# Allegro board Coral-Dev-Board-baseboard-layout-Allegro.brd (continued)
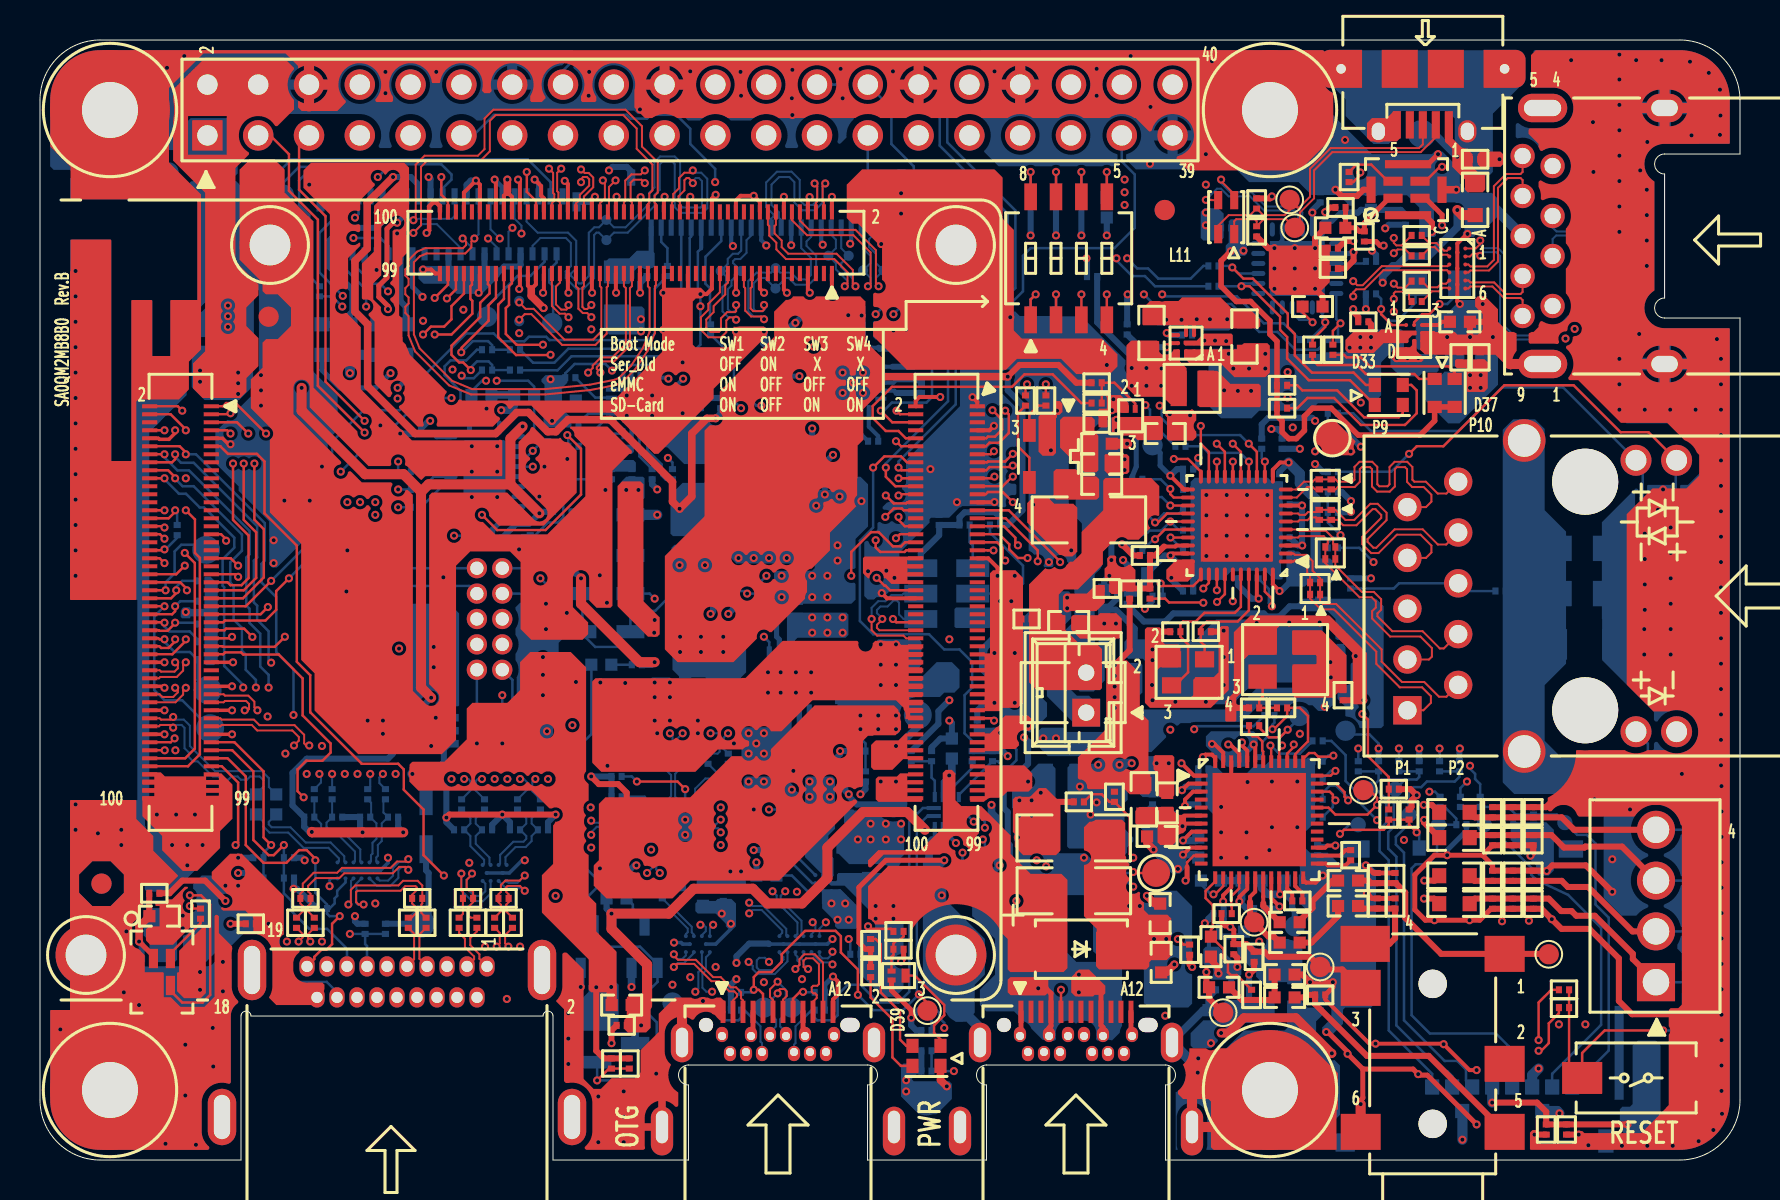
[diagram p0: board, top side]
## Routing (per net, layer and track width the routed paths; a pad name or vN(x,y) marks a point on that pad's centre or on a via; arc(x,y) is an arc through that point) (continued)
MIPI_DSI_D0_P: length 26.7
  TOP w0.102: v1(21.72,46.08) 21.57,45.93 21.57,45.63 21.26,45.33 19.33,45.33 19.16,45.26 19,45.19 18.69,44.89 18.69,41.27 18.98,40.58 20.61,38.96 21.6,38.54 25.25,38.54 27.5,38.77 28.72,39.01 28.95,39.1 29.55,39.71 30.14,40.59 30.48,41.41 30.48,43.6 30.4,43.69 J1311.47
  BOTTOM w0.102: P3.15 21.93,46.29 v1(21.72,46.08)
MIPI_DSI_D1_N: length 24
  TOP w0.102: v1(30.24,48.84) 30.07,49.02 29.68,49.02 29.53,48.86 29.53,47.95 29.6,47.88 J1311.52
  L06_SIG2 w0.089: v1(30.24,48.84) 30.43,49.04 30.7,49.04 30.88,48.86 31.14,48.86 31.32,49.04 31.61,49.04 31.85,48.8 31.85,47.88 32.24,47.49 34.94,47.49 35.17,47.26 35.17,46.78 34.88,46.49 34.5,46.49 34.14,46.14 33.08,46.14 32.9,46.31 32.64,46.31 32.46,46.14 32.19,46.14 32.02,46.31 31.75,46.31 31.58,46.14 31.31,46.14 31.13,46.31 30.87,46.31 30.69,46.14 30.43,46.14 30.25,46.31 29.98,46.31 29.81,46.14 29.54,46.14 29.37,46.31 29.1,46.31 28.93,46.14 28.66,46.14 28.48,46.31 28.22,46.31 28.04,46.14 27.77,46.14 27.47,46.44 27.17,46.44 27,46.62 26.73,46.62 26.55,46.44 26.29,46.44 26.11,46.62 25.85,46.62 25.67,46.44 25.4,46.44 25.23,46.62 24.96,46.62 24.79,46.44 24.52,46.44 24.24,46.72 23.74,46.72 v1(23.62,46.61)
  BOTTOM w0.102: P3.10 23.43,46.41 v1(23.62,46.61)
MIPI_DSI_D1_P: length 24
  TOP w0.102: J1311.54 29.2,47.88 29.26,47.95 29.26,48.97 29.57,49.28 30.04,49.28 v1(30.24,49.48)
  L06_SIG2 w0.089: v1(30.24,49.48) 30.41,49.31 31.72,49.31 32.11,48.91 32.11,47.99 32.35,47.76 35.05,47.76 35.43,47.37 35.43,46.67 34.99,46.23 34.61,46.23 34.25,45.87 27.66,45.87 27.36,46.17 24.22,46.17 v1(24.07,46.32)
  BOTTOM w0.102: P3.9 23.73,47.06 24.07,46.72 v1(24.07,46.32)
MIPI_DSI_D2_N: length 24.6
  TOP w0.102: v1(32.64,48.84) 32.64,48.9 32.44,49.1 32.33,49.1 32.22,48.99 32.22,48.48 31.93,48.19 31.93,47.95 32,47.88 J1311.40
  BOTTOM w0.102: P3.7 24.33,46.92 24.88,46.37 26.4,46.37 26.81,45.96 26.81,44.58 26.55,44.32 26.55,44.21 26.93,43.83 27.07,43.83 27.44,44.2 27.44,46.36 27.71,46.64 27.95,46.64 TP52.1 28.7,46.64 29.28,46.64 30.47,47.83 30.47,48.37 30.72,48.62 30.72,49.89 31,50.18 31.73,50.18 32,49.91 32,47.75 32.13,47.62 33.02,47.62 33.1,47.7 33.1,48.95 32.95,49.1 32.79,49.1 32.64,48.95 v1(32.64,48.84)
MIPI_DSI_D2_P: length 24.5
  TOP w0.102: v1(32.64,49.48) 32.52,49.36 32.22,49.36 31.95,49.1 31.95,48.59 31.66,48.3 31.66,47.95 31.6,47.88 J1311.42
  BOTTOM w0.102: v1(32.64,49.48) 32.75,49.36 33.06,49.36 33.36,49.06 33.36,47.59 33.13,47.36 32.02,47.36 31.74,47.64 31.74,49.8 31.62,49.91 31.12,49.91 30.99,49.78 30.99,48.51 30.73,48.26 30.73,47.72 29.39,46.37 28.7,46.37 TP4.1 27.95,46.37 27.82,46.37 27.71,46.25 27.71,44.09 27.18,43.56 26.82,43.56 26.28,44.1 26.28,44.43 26.54,44.69 26.54,45.85 26.29,46.1 25.02,46.1 24.63,45.71 P3.6
MIPI_DSI_D3_N: length 24.3
  TOP w0.102: J1311.46 30.8,47.8 30.73,47.87 30.73,48.21 30.89,48.37 30.89,49.89 30.1,50.67 30.1,51.69 29.28,52.51 22.67,52.51 22.23,52.07 22.23,50.55 21.89,50.21 19.23,50.21 18.78,49.77 18.78,47.1 v1(18.67,46.99)
  BOTTOM w0.102: P3.19 20.73,47.19 20.59,47.06 18.74,47.06 v1(18.67,46.99)
MIPI_DSI_D3_P: length 24.4
  TOP w0.102: J1311.48 30.4,47.8 30.46,47.87 30.46,48.32 30.62,48.48 30.62,49.77 29.83,50.56 29.83,51.58 29.17,52.25 22.78,52.25 22.49,51.96 22.49,50.44 22,49.95 19.34,49.95 19.05,49.66 19.05,46.74 v1(18.67,46.35)
  BOTTOM w0.102: P3.18 21.03,45.6 19.84,46.79 19.11,46.79 v1(18.67,46.35)
NAND_ALE: length 28
  TOP w0.127: J1310.16 43.35,34.89 43.05,35.18 42.22,35.18 v1(41.66,34.62)
  BOTTOM w0.127: U9.6 45.94,18.25 R11.1 47.88,19.94 48.13,19.68 48.51,19.68 48.82,19.99 48.82,20.52 48.41,20.93 46.63,20.93 46.23,21.34 46.23,23.24 46.61,23.62 46.61,24.89 45.97,25.53 45.21,25.53 44.45,26.29 41.66,26.29 41,26.95 41,30.96 41.66,31.62 v1(41.66,34.62)
NAND_DATA02: length 14.3
  TOP w0.127: J1310.12 43.06,35.69 v1(42.8,35.94)
  L06_SIG2 w0.102: v1(35.05,37.59) 35.31,37.34 37.08,37.34 37.59,37.85 40.89,37.85 v1(42.8,35.94)
  BOTTOM w0.127: R136.1 34.7,40.11 34.7,37.95 v1(35.05,37.59)
NAND_DATA03: length 46.9
  TOP w0.127: J1310.22 42.77,33.69 42.29,34.16 v1(42.29,34.62)
  BOTTOM w0.127: v1(42.29,34.62) 42.29,34.83 45.4,37.94 45.4,40.23 48.77,43.6 48.77,47.48 45.36,50.88 45.36,54.62 44.74,55.24 40.74,55.24 40.48,54.99 38.74,54.99 38.48,55.24 26.92,55.24 26.15,54.47 J15.16
NAND_DATA06: length 30.4
  TOP w0.127: J1310.20 42.93,34.09 v1(42.93,34.09)
  L06_SIG2 w0.102: v1(17.91,34.92) 19.05,36.07 23.04,36.07 24,35.1 24,34.76 24.53,34.24 26.92,34.24 27.27,34.58 32.54,34.58 34.48,36.53 37.77,36.53 39.91,34.39 41.22,34.39 41.53,34.09 v1(42.93,34.09)
  BOTTOM w0.127: R170.2 17.98,34.42 17.91,34.49 v1(17.91,34.92)
NAND_DATA07: length 25.1
  TOP w0.127: J1310.18 43.06,34.49 v1(42.93,34.62)
  BOTTOM w0.127: v1(42.93,34.62) 42.93,34.92 45.78,37.78 45.78,40.07 49.15,43.44 49.15,45.21 49.53,45.59 53.72,45.59 54.74,46.61 54.74,49.28 54.09,49.92 J15.37
NETB2_2: length 11.6
  TOP w0.127: v1(81.15,6.48) 78.23,6.48 77.11,5.35 B2.2 76.45,4.76 R180.1 R191.1
  BOTTOM w0.127: TP54.1 v1(81.15,6.48)
NETC5_1: length 4.7
  TOP w0.254: v1(4.95,10.92) 5.67,10.2 U3.1
  TOP w0.305: C141.1 5.46,12.2 R206.2
  TOP w0.381: C141.1 4.95,11.68 v1(4.95,10.92)
  BOTTOM w0.305: C5.1 5.08,10.79 v1(4.95,10.92)
NETC10_1: length 4.4
  TOP w0.254: R207.1 65.28,46.99 65.27,46.98 C142.1 65.79,46.61 65.96,46.43 C10.1 66.22,46.86 67.45,48.09 U4.1
NETC12_1: length 1.9
  TOP w0.203: U2.8 57.59,16.42 v1(57.15,15.98)
  BOTTOM w0.381: v1(57.15,15.98) 57.77,15.98 C12.1
NETC24_2: length 2.1
  TOP w0.127: v1(58.67,13.28) 58.75,13.28 59.16,13.69 U2.14
  BOTTOM w0.127: C24.2 58.05,13.78 58.55,13.28 v1(58.67,13.28)
NETC29_1: length 2.2
  BOTTOM w0.203: 42.63,39.66 U1.11
  BOTTOM w0.305: C29.1 43.68,39.66 42.63,39.66
NETC29_2: length 2.9
  BOTTOM w0.203: 41.94,40.61 41.61,40.61 41.44,40.45 U1.10
  BOTTOM w0.305: 41.94,40.61 41.99,40.56 C29.2
NETC69_1: length 2.4
  BOTTOM w0.203: U1.6 39.84,40.89
  BOTTOM w0.305: 39.84,40.89 39.62,41.11 R131.1 C69.1
NETC70_1: length 5.2
  TOP w0.203: v1(56.52,30.22) 56.63,30.32 U18.29
  BOTTOM w0.305: C71.1 57.02,29.59 57.02,29.7 56.52,30.2 v1(56.52,30.22) 56.23,30.22 55.36,29.35 C70.1 55.36,28.9 54.79,28.32 R71.2
NETC91_1: length 2.5
  TOP w0.127: C91.1 63.13,42.38 v1(63.63,41.88)
  BOTTOM w0.127: v1(63.63,41.88) 63.5,42.01 62.97,42.01 62.62,42.37 U19.16
NETC92_2: length 9.2
  TOP w0.127: R117.1 C92.2 28.45,4.57 v1(27.86,3.98)
  BOTTOM w0.127: Q21.1 v1(27.86,3.98) 29.76,3.98 30.84,5.05 30.84,6.88 30.35,7.37 R118.2
NETC94_1: length 18
  BOTTOM w0.127: R120.2 27.57,21.29 26.92,20.65 26.92,14.96 27.79,14.1 C94.1 28.58,13.84 28.4,13.67 27.89,13.67 27.05,12.83 27.05,11.13 28.34,9.84 Q23.2
NETC96_1: length 2.1
  BOTTOM w0.203: U1.14 42.72,38.46 42.82,38.35
  BOTTOM w0.305: 42.82,38.35 C96.1
NETC96_2: length 2.2
  BOTTOM w0.203: 42.85,39.04 42.67,38.86 U1.13
  BOTTOM w0.305: C96.2 43.89,39.04 42.85,39.04
NETC105_1: length 1.7
  BOTTOM w0.203: C105.1 41.91,36.2 41.44,36.66 U1.16
NETC105_2: length 1.7
  BOTTOM w0.203: C105.2 41.04,36.3 U1.17
NETC107_1: length 1.6
  BOTTOM w0.203: 38.74,37.82 38.98,38.06 U1.1
  BOTTOM w0.305: C107.1 38.43,37.52 38.74,37.82
NETC107_2: length 3
  BOTTOM w0.203: U1.2 38.76,38.46
  BOTTOM w0.305: 38.76,38.46 38.59,38.46 38.35,38.23 37.08,38.23 36.89,38.03 C107.2
NETC111_1: length 1.3
  BOTTOM w0.254: 30.56,45.32 P1.24
NETC112_1: length 3.9
  BOTTOM w0.203: 32.18,38.35 31.95,38.12 U15.12
  BOTTOM w0.305: 32.18,38.35 32.82,38.99 33.02,38.99 C112.1 R134.1
NETC127_1: length 3.7
  TOP w0.305: C127.1 60.09,8 61.6,8 FB12.1 R159.2
NETC128_2: length 0.6
  BOTTOM w0.203: U15.19 29.57,35.69
NETC129_1: length 2
  BOTTOM w0.127: U15.18 29.97,35.18 C129.1
NETC130_2: length 1
  BOTTOM w0.127: R151.1 C130.2
NETC134_2: length 7.5
  BOTTOM w0.127: C147.2 71.3,28.45 J11.P6 67.95,28.83 67.69,28.57 C134.2
NETC135_2: length 5
  TOP w0.305: J4.4 67.47,10.81 67.75,11.09 C135.2 ESD9.2 66.03,12.57 FB4.2
NETC136_2: length 11.8
  TOP w0.305: FB11.2 66.42,13.97 66.55,13.84 ESD11.2 C136.2 67.79,13.84 68.26,13.37 68.26,12.11 70.06,10.31 J4.1 75.42,10.31 TP17.1
NETC151_1: length 5.7
  BOTTOM w1.016: 52.22,27 52.22,29.49 52.6,29.87 TP57.1
  vias: v1(53.82,37.01) v1(53.82,36.47)
NETD1_A: length 6.1
  TOP w0.127: U6.A1 67.6,41.75 67.06,42.29 v1(67.06,42.55)
  BOTTOM w0.127: R21.1 67.06,43.05 v1(67.06,42.55) 67.06,42.29 67.39,41.96 67.87,41.96 68.78,42.87 D1.A
NETD1_K: length 3.5
  TOP w0.127: U6.A2 68.71,41.88 69.11,42.29 69.47,42.29 v1(69.98,42.8)
  BOTTOM w0.127: D1.K 70.98,43.42 70.36,42.8 v1(69.98,42.8)
NETD9_C: length 5.7
  BOTTOM w0.305: R40.2 TP45.1 19.43,12.19 19.43,14.35 19.3,14.48 D9.C
NETD33_1: length 6.9
  TOP w0.127: D33.1 68.14,37.34 67.93,37.13 66.21,37.13 64.86,38.48 63.12,38.48 62.87,38.73 R88.1
NETD33_3: length 9.4
  TOP w0.127: D33.3 68.56,38.75 68.83,38.48 68.83,37.34 68.25,36.75 66.05,36.75 64.7,38.1 63.37,38.1 62.87,37.59 R87.1
NETD37_2: length 6.8
  TOP w0.127: R103.1 63.63,40.01 63.88,39.75 65.84,39.75 66.29,39.3 68.72,39.3 68.96,39.05 D37.2
NETD37_4: length 6.8
  TOP w0.127: D37.4 70.73,39.38 70.43,39.68 66.49,39.68 66.04,40.13 65.32,40.13 65.2,40.26 R104.1
NETD38_C: length 2.2
  BOTTOM w0.127: D38.C 27.12,31.67 27,31.55 26.31,31.55 26.01,31.24 R107.2
NETD39_1: length 6.5
  TOP w0.127: D39.1 43.32,5.71 43,6.02 43,7.42 42.04,8.38 42.04,10.79 41.78,11.05 R112.1
NETD39_2: length 4.9
  TOP w0.127: Q19.3 43.74,9.22 45.21,7.75 45.21,7.24 44.7,6.73 44.7,6.35 45.02,6.03 D39.2
NETD39_3: length 5.6
  TOP w0.127: D39.3 43.05,4.71 42.62,5.13 42.62,7.04 41.53,8.13 R113.1
NETD40_C: length 6.5
  BOTTOM w0.127: 23.11,29.59 25.02,29.59 25.53,30.1 26.99,30.1 D40.C 27.12,30.86 26.99,30.99 26.37,30.99 26.11,30.73 R107.1
NETD41_A: length 6.4
  BOTTOM w0.127: D42.A D41.A 27.12,26.29 27.76,25.65 29.08,25.65 29.59,25.15 29.59,24.77 R120.1
NETESD16_2: length 3.7
  TOP w0.381: 70.92,50.52 70.44,51 J10.1
  BOTTOM w0.381: TP30.1 69.72,51.31 v1(70.87,50.16)
NETFB1_1: length 9.6
  BOTTOM w0.305: 63.12,27.69 62.48,27.69 61.98,27.18 61.34,27.18 61.19,27.33 56.67,27.33 56.26,26.92 55.19,26.92 54.36,27.76 R71.1
NETJ5_1: length 2.4
  TOP w0.102: J5.1 21.97,10.06 21.97,10.29 21.51,10.74 21.51,11.1 21.84,11.43 R182.2
NETJ5_3: length 2.4
  TOP w0.102: J5.3 21.7,10.03 21.7,10.17 21.25,10.63 21.25,11.06 20.96,11.35 R183.2
NETJ5_4: length 6.3
  TOP w0.102: v1(23.42,10.67) 23.25,10.83 23.25,11.24 R184.2
  L03_SIG1 w0.089: J5.4 20.53,8.45 20.53,8.57 20.69,8.73 22.9,8.73 23.32,9.16 23.32,10.57 v1(23.42,10.67)
NETJ5_6: length 6.3
  TOP w0.102: v1(22.83,10.67) 22.99,10.82 22.99,11.35 R185.2
  L03_SIG1 w0.089: v1(22.83,10.67) 22.98,10.52 22.98,9.3 22.75,9.08 20.51,9.08 20.19,8.76 20.19,8.47 J5.6
NETJ5_7: length 2.2
  TOP w0.102: R186.2 18.97,11.27 18.97,10.06 19.35,9.68 J5.7
NETJ5_9: length 2.2
  TOP w0.102: J5.9 18.7,10.03 18.7,11.32 R187.2
NETJ5_10: length 8.6
  TOP w0.102: v1(13.51,10.92) 13.4,11.04 13.4,11.29 R188.2
  L03_SIG1 w0.089: v1(13.51,10.92) 13.35,10.76 13.35,10.58 12.7,9.93 12.7,9.27 12.94,9.03 17.24,9.03 17.48,8.78 17.48,8.5 J5.10
NETJ5_12: length 8.7
  TOP w0.102: v1(12.93,10.92) 13.13,11.13 13.13,11.3 R189.2
  L03_SIG1 w0.089: J5.12 17.22,8.5 17.22,8.67 17.13,8.76 12.83,8.76 12.43,9.16 12.43,10.04 13.08,10.69 13.08,10.77 v1(12.93,10.92)
NETJ12_1: length 2.4
  BOTTOM w0.127: R108.1 J12.1
NETJ12_7: length 5.4
  BOTTOM w0.127: R109.1 21.46,28.7 J12.7
NETJ12_9: length 6.7
  BOTTOM w0.127: 21.84,29.59 18.54,29.59 17.4,30.73 R110.1 R111.1
NETJ1310_10: length 15.4
  TOP w0.127: J1310.10 43.29,36.09 42.93,36.45 42.29,36.45 41.63,37.11 41.63,37.69 42.6,38.66 48.6,38.66 49.22,39.28 50.64,39.28 52.07,37.85 R205.1
NETJ1312_30: length 2.3
  TOP w0.127: J1312.30 6.43,32.09 6.76,32.41 v1(6.76,32.48)
  BOTTOM w0.127: R179.2 6.86,32.38 v1(6.76,32.48)
NETJ1312_48: length 4.7
  TOP w0.127: J1312.48 v1(6.28,28.49)
  BOTTOM w0.127: v1(6.28,28.49) 6.28,28.88 6.73,29.34 6.73,30.43 7.06,30.76 8.05,30.76 TP80.1
NETJ1312_52: length 8.7
  TOP w0.127: J1312.52 6.22,27.69 v1(6.22,27.69)
  BOTTOM w0.127: v1(6.22,27.69) 5.72,27.18 5.72,23.5 6.22,22.99 7.11,22.99 TP81.1
NETJ1312_86: length 79.8
  TOP w0.127: R191.2 75.57,8.51 74.93,7.87 v1(74.93,5.99) ; J1312.86 6.53,20.89 v1(6.73,21.08)
  L03_SIG1 w0.102: v1(74.93,5.99) 73.94,5.99 73.02,6.91 64.9,6.91 64.6,7.2 59.7,7.2 59.59,7.32 58.23,7.32 50.48,15.06 49.91,15.06 v1(49.84,14.99)
  L06_SIG2 w0.102: v1(6.73,21.08) 8.83,21.08 9.85,20.07 11.55,20.07 12.72,18.9 19.18,18.9 19.43,18.64 29.34,18.64 29.95,18.03 34.17,18.03 34.7,17.51 34.7,17.1 35.59,16.21 37.23,16.21 38.71,14.73 42.75,14.73 42.93,14.55 45.64,14.55 45.92,14.27 48.11,14.27 48.82,14.99 v1(49.84,14.99)
NETL9_2:
  vias: v1(58.22,40.97) v1(58.75,40.97) v1(59.21,38.48) v1(59.31,40.94) v1(59.89,38.46) v1(60.55,38.46)
NETP3_4: length 4.7
  BOTTOM w0.127: TP2.1 22.35,42.68 23.88,44.2 24.52,44.2 25.23,44.91 P3.4
NETP3_33: length 6.2
  BOTTOM w0.127: TP21.1 12.19,48.9 12.95,49.66 15.49,49.66 16.53,48.62 P3.33
NETP3_37: length 9
  BOTTOM w0.127: P3.37 15.33,48.81 14.86,49.28 13.25,49.28 12.95,48.98 12.95,47.75 13.46,47.24 13.46,44.2 R190.2
NETQ1_1: length 3.4
  TOP w0.127: R205.2 R201.1 53.72,38.86 54.76,37.82 Q1.1
NETQ3_3: length 4
  BOTTOM w0.127: R30.1 36.7,16.76 37.18,16.29 Q3.3 37.85,16.03 37.85,15.17 U13.A1
NETQ8_3: length 13.3
  TOP w0.305: v1(20.32,17.12) 20.47,17.27 v1(23.11,17.27) v1(25.78,17.27)
  BOTTOM w0.305: v1(25.78,17.27) 25.4,16.89 R51.1 ; R49.1 22.61,16.76 v1(23.11,17.27) 23.5,16.89 23.5,16.51 ; Q8.3 20.46,20.81 20.19,20.55 20.19,19.89 19.94,19.63 19.94,18.97 20.32,18.59 v1(20.32,17.12) 20.32,16.89 R48.1
NETQ8_6: length 18.4
  TOP w0.508: v1(18.16,16.38) v1(16.13,16.38) 13.61,16.38 v1(13.59,16.4)
  BOTTOM w0.305: R42.1 R43.1 16,16.51 v1(16.13,16.38) ; R44.1 17.91,16.64 v1(18.16,16.38) ; v1(13.59,16.4) 13.56,16.43 13.44,16.43 13.21,16.66 R41.1 12.62,17.73 12.62,19.35 13.34,20.07 17.4,20.07 17.63,20.29 17.63,21.82 17.92,22.11 Q8.6
NETQ19_1: length 2.3
  TOP w0.127: Q19.1 42.58,10.16 42.67,10.26 R115.2 42.67,10.82 42.82,10.97 42.98,10.97 43.18,11.18 R114.1
NETQ22_2: length 5.8
  BOTTOM w0.127: Q23.3 27.69,11.43 28.45,10.67 30,10.67 30.88,9.79 Q22.2 30.88,8.9 R118.1
NETQ22_3: length 1.7
  BOTTOM w0.127: R145.1 29.64,12.77 29.64,12.57 30.23,11.99 Q22.3
NETR2_1: length 2.9
  BOTTOM w0.127: R2.1 R22.2 44.58,19.12 44.74,18.96 U9.3
NETR7_2: length 2.4
  BOTTOM w0.127: R7.2 34.67,18.16 33.99,18.16 33.55,17.73 33.55,17.42 33.37,17.24 U5.1
NETR8_2: length 2.5
  BOTTOM w0.127: R8.2 34.24,15.32 33.71,15.32 33.47,15.55 33.47,15.8 33.24,16.04 U5.4
NETR9_2: length 2.6
  BOTTOM w0.127: R9.2 30.23,18.16 31.15,17.24 U5.13
NETR10_2: length 2.6
  BOTTOM w0.127: R10.2 29.31,15.11 30.12,15.93 30.99,15.93 31.1,16.04 U5.10
NETR18_1: length 2
  TOP w0.127: R18.1 59.59,12.67 59.56,12.7 59.56,13.18 59.96,13.58 U2.16
NETR19_2: length 1.5
  TOP w0.203: R19.2 70.09,41.91 69.93,41.75 U6.A3
NETR27_1: length 2.4
  BOTTOM w0.127: U13.A2 38.61,13.84 37.47,14.99 37.21,14.99 R27.1
NETR31_2: length 2.3
  BOTTOM w0.127: R31.2 37.59,14.22 38.37,13.44 U13.A3
NETR34_2: length 2.5
  BOTTOM w0.203: U1.19 40.24,36.96 40.11,36.83
  BOTTOM w0.305: 40.11,36.83 40.01,36.73 R34.2 R35.1
NETR36_2: length 3.7
  BOTTOM w0.127: R36.2 35.71,38.71 38.23,38.71 38.38,38.86 U1.3
NETR37_2: length 3.7
  BOTTOM w0.203: 38.66,39.95 38.95,39.66 U1.5
  BOTTOM w0.305: 38.66,39.95 38.38,40.23 R37.2 37.95,40.96 38.51,41.53 R131.2
NETR45_1: length 6.3
  BOTTOM w0.127: Y1.2 47.63,28.32 48.01,28.7 49.02,28.7 49.15,28.83 49.15,29.72 47.5,31.37 R45.1
NETR46_1: length 2.2
  BOTTOM w0.127: Y1.1 46.64,30.73 46.48,30.89 R46.1
NETR70_2: length 3.4
  TOP w0.127: U18.39 61.24,28.42 61.6,28.07 v1(61.6,27.69)
  BOTTOM w0.127: R70.2 61.44,28.55 61.44,27.84 v1(61.6,27.69)
NETR90_1: length 2.4
  TOP w0.127: SW1.8 v1(49.53,49.4)
  BOTTOM w0.127: R90.1 v1(49.53,49.4)
NETR91_2: length 2.4
  TOP w0.127: SW1.6 v1(52.07,49.4)
  BOTTOM w0.127: R91.2 v1(52.07,49.4)
NETR92_1: length 1.5
  BOTTOM w0.127: U19.9 66.19,44.83 R92.1
NETR98_1: length 1.4
  TOP w0.203: v1(56.34,41.35) 56.45,41.24 U7.C3
  BOTTOM w0.305: v1(56.34,41.35) 56.44,41.25 R98.1
NETR100_2: length 2.4
  TOP w0.127: SW1.7 v1(50.8,49.4)
  BOTTOM w0.127: R100.2 v1(50.8,49.4)
NETR143_2: length 2.2
  BOTTOM w0.127: U15.1 28.16,36.92 R143.2
NETR150_2: length 3
  BOTTOM w0.127: U15.17 30.37,35.49 31.08,34.79 31.08,34.23 31.27,34.04 R150.2
NETR151_2: length 2.8
  BOTTOM w0.127: R151.2 27.56,35.36 28.52,36.32 U15.20
NETR161_1: length 2.9
  TOP w0.203: v1(56.34,40.64) 56.54,40.84 U7.B3
  BOTTOM w0.305: R161.1 54.99,40.64 v1(56.34,40.64)
NETR162_1:
  vias: v1(67.84,40.09) v1(68.38,40.09) v1(68.91,40.09)
NETR163_1: length 2.5
  TOP w0.127: SW1.5 v1(53.34,49.4)
  BOTTOM w0.127: R163.1 v1(53.34,49.4)
NETR169_1: length 1.5
  BOTTOM w0.127: R169.1 19.19,35.17 U20.17
NETR170_1: length 1.6
  BOTTOM w0.127: U20.16 19.3,34.67 R170.1
NETR171_1: length 1.7
  BOTTOM w0.127: R171.1 19.69,34.17 U20.15
NETR172_1: length 1.9
  BOTTOM w0.127: R172.1 20.08,33.67 U20.14
NETR175_1: length 2.2
  BOTTOM w0.127: R175.1 27.77,38.12 U15.4
NETR202_2: length 1.8
  TOP w0.127: U21.3 49.47,37.28 49.91,37.72 R202.2
NETR203_2: length 4.2
  TOP w0.127: U21.4 49.47,35.11 48.9,35.69 48.9,37.34 R203.2
NETR208_1: length 2.2
  TOP w0.127: U2.42 61.16,20.42 61.11,20.47 61.11,20.93 60.86,21.18 60.63,21.18 60.45,21.36 R208.1
NETR209_2: length 2.7
  TOP w0.127: U4.4 67.39,48.94 66.56,49.77 65.82,49.77 R209.2
NETR210_2: length 2.6
  TOP w0.127: 8.03,12.06 8.03,11.84 6.52,10.33 U3.4
NETR211_1: length 1.3
  BOTTOM w0.254: 22.73,31.62 22.98,31.87 U20.10
  BOTTOM w0.305: R211.1 22.61,31.5 22.73,31.62
NVCC_ENET_2V5: length 1.2
  BOTTOM w0.305: v1(48.01,21.36) 47.9,21.46 46.86,21.46
  vias: v1(49.4,21.72) v1(51.36,28.12) v1(51.36,27.58)
OSC_CLK: length 2.5
  TOP w0.127: 61.85,22.61 C64.1 60.96,22.99 61.13,23.16 OSC1.3
POR_B: length 28.1
  TOP w0.127: J1310.79 47.59,22.09 v1(47.7,21.97)
  L06_SIG2 w0.102: v1(30.73,28.07) 31.37,27.43 32.61,27.43 33.6,26.44 33.6,25.42 34.17,24.85 38.7,24.85 39.09,24.46 39.09,20.73 39.75,20.07 43.18,20.07 43.82,20.7 46.71,20.7 47.7,21.69 v1(47.7,21.97)
  BOTTOM w0.127: v1(30.73,28.07) 30.48,28.32 D42.C D40.A
PWM1: length 75.2
  TOP w0.127: J1312.88 v1(6.24,20.49)
  L06_SIG2 w0.102: J15.32 45.07,55.17 30.23,55.17 29.95,55.44 10.13,55.44 9.45,54.76 9.45,49.96 8.41,48.92 8.41,41.88 6.96,40.44 6.96,38.28 5.84,37.17 5.84,34.85 5.21,34.21 5.21,30.43 5.84,29.79 5.84,20.88 v1(6.24,20.49)
PWM2: length 67.1
  TOP w0.127: J1312.90 7.26,20.09 7.74,20.57 7.74,29.85 v1(7.24,30.35)
  L06_SIG2 w0.102: v1(7.24,30.35) 7.87,30.99 7.87,31.3 10.99,34.42 11.25,34.42 12.7,35.86 12.7,40.01 14.73,42.04 14.73,43.38 16.69,45.34 19.41,45.34 19.78,44.96 26.74,44.96 27.05,44.66 36.02,44.66 37.19,45.82 37.19,46.33 37.86,47.01 39.89,47.01 42.79,49.91 47.69,49.91 J15.33
PWM3: length 47.2
  TOP w0.127: J1312.92 7.4,19.69 7.99,20.28 7.99,30.11 7.75,30.35 7.75,32.03 v1(7.29,32.48)
  L06_SIG2 w0.102: v1(7.29,32.48) 8.56,33.75 8.56,37.03 9.37,37.85 9.37,40.16 12.2,42.99 12.2,43.9 13.59,45.28 13.59,47.88 15.6,49.89 23.85,49.89 25.2,51.23 J15.15
PWM4: length 54.2
  TOP w0.127: v1(20.19,14.22) 19.18,15.24 19.18,17.53 18.19,18.52 18.19,19.53 17.91,19.81 16.08,19.81 13.51,22.38 13.51,24.24 12.84,24.91 12.84,30.72 11.22,32.34 11.22,34.93 10.85,35.31 9.4,35.31 9.02,35.69 J1312.11 ; v1(41.4,11.68) 41.53,11.56 42.55,11.56 R114.2
  L06_SIG2 w0.102: v1(20.19,14.22) 21.54,12.88 25.43,12.88 29.17,9.14 31.88,9.14 33.17,10.44 36.9,10.44 37.51,11.05 39.09,11.05 39.54,11.51 40.59,11.51 40.77,11.68 v1(41.4,11.68)
SAI1_RXD0: length 68.2
  TOP w0.127: v1(9.3,30.96) 9.3,31.04 9.06,31.29 J1312.33
  L06_SIG2 w0.102: v1(9.3,30.96) 9.3,31.15 14.07,35.92 14.07,39.09 17.02,42.04 17.02,42.8 17.25,43.03 17.68,43.03 18.19,43.54 19.58,43.54 19.86,43.81 21.54,43.81 21.77,44.05 26.37,44.05 26.67,43.74 38.79,43.74 40.17,45.13 40.85,45.13 41.42,45.7 41.42,46.81 42.56,47.96 44.94,47.96 45.67,48.69 51.99,48.69 52.54,49.24 52.54,49.75 52.91,50.11 54.71,50.11 55.27,50.67 55.27,51.66 56.21,52.6 57.18,52.6 57.73,53.16 57.73,54.36 57.3,54.79 55.11,54.79 J15.38
SAI1_TXC: length 36.8
  TOP w0.127: J1312.40 5.98,30.09 v1(6.22,29.84)
  L06_SIG2 w0.102: J15.12 19.62,52.32 15.24,52.32 14.48,51.56 14.48,50.52 14.1,50.14 12.45,50.14 11.71,49.4 10.74,49.4 9.42,48.08 9.42,44.09 9.82,43.69 9.82,41.48 8.76,40.42 8.76,38.1 7.95,37.29 7.95,35.13 7.49,34.67 6.1,34.67 5.51,34.09 5.51,30.56 v1(6.22,29.84)
SAI1_TXD0: length 66.8
  TOP w0.127: v1(7.24,29.72) 6.81,29.29 J1312.44
  L06_SIG2 w0.102: v1(7.24,29.72) 8.16,29.72 8.26,29.81 8.26,31.25 11.04,34.04 11.3,34.04 13.46,36.19 13.46,40.21 15.52,42.27 15.52,43.73 16.77,44.98 19.32,44.98 19.65,44.66 26.62,44.66 26.92,44.35 37.49,44.35 38.48,45.34 38.48,46.12 38.99,46.62 39.94,46.62 42.92,49.6 48.41,49.6 48.97,50.16 49.66,50.16 50.42,50.93 50.42,51.82 50.98,52.37 54.53,52.37 55.93,53.77 J15.40
SAI1_TXD4: length 60.3
  TOP w0.127: SW1.3 v1(52.07,43.28) ; v1(6.22,30.53) 6.18,30.49 J1312.38
  L03_SIG1 w0.102: v1(6.22,30.53) 6.4,30.53 6.73,30.86 7.67,30.86 8.92,32.11 15.21,32.11 v1(16,32.89)
  L06_SIG2 w0.102: v1(52.07,43.28) 51.59,42.8 50.7,42.8 49.05,41.15 48.26,41.15 45.69,38.58 45.69,36.63 44.9,35.83 44.9,33.19 43.49,31.78 42.11,31.78 41.65,32.23 39.3,32.23 38.64,31.57 26.8,31.57 26.42,31.95 24.81,31.95 24.4,32.37 24.4,32.64 23.31,33.73 19.99,33.73 18.13,31.88 16.51,31.88 16,32.38 v1(16,32.89)
  BOTTOM w0.127: R179.1 6.86,31.11 6.27,30.53 v1(6.22,30.53)
SAI1_TXD5: length 59.9
  TOP w0.127: v1(6.22,31.06) 6,31.29 J1312.34 ; SW1.4 v1(53.34,43.28)
  L03_SIG1 w0.102: v1(15.37,32.89) 14.88,32.41 8.41,32.41 7.24,31.24 6.4,31.24 v1(6.22,31.06)
  L06_SIG2 w0.102: v1(53.34,43.28) 52.48,42.42 50.75,42.42 49.17,40.84 48.39,40.84 46,38.46 46,33.78 43.69,31.47 41.98,31.47 41.52,31.93 39.43,31.93 38.77,31.27 26.67,31.27 26.29,31.65 24.68,31.65 23.57,32.77 19.46,32.77 18.26,31.57 16.38,31.57 15.37,32.59 v1(15.37,32.89)
SAI1_TXD6: length 15.2
  TOP w0.127: v1(6.22,32.48) 6.22,32.49 J1312.28
  L03_SIG1 w0.102: v1(17.91,32.64) 15.49,35.05 13.59,35.05 12.95,34.42 9.47,34.42 8.71,33.66 7.24,33.66 6.22,32.64 v1(6.22,32.48)
  BOTTOM w0.127: R172.2 v1(17.91,32.64)
SAI1_TXD7: length 14.7
  TOP w0.127: v1(6.22,31.62) 6.16,31.69 J1312.32
  L03_SIG1 w0.102: v1(6.22,31.62) 6.29,31.69 7.23,31.69 9.63,34.09 14.71,34.09 v1(15.04,34.42)
  BOTTOM w0.127: R169.2 18.03,35.31 17.93,35.41 16.03,35.41 v1(15.04,34.42)
SAI1_TXFS: length 60.2
  TOP w0.127: J1312.46 7.01,28.89 7.35,28.55 v1(7.35,28.49)
  L06_SIG2 w0.102: v1(7.35,28.49) 7.35,28.56 7.7,28.92 8.42,28.92 8.64,29.13 8.64,31.2 10.58,33.14 10.87,33.14 13.77,36.04 13.77,40.06 15.88,42.16 15.88,42.88 17.14,44.15 19.33,44.15 19.54,44.35 26.49,44.35 26.8,44.05 38.23,44.05 40.12,45.93 40.12,46.37 43.05,49.3 48.54,49.3 49.1,49.86 50.18,49.86 J15.35
SAI2_MCLK: length 72.4
  TOP w0.127: J1312.12 6.99,35.69 7.29,35.38 v1(7.29,35.28)
  L06_SIG2 w0.102: v1(12.67,22.25) 13.11,21.82 15.47,21.82 16.62,20.66 18.9,20.66 19.44,20.12 25.96,20.12 26.31,20.47 28.93,20.47 29.34,20.07 34.02,20.07 34.76,19.33 36.39,19.33 36.78,18.94 36.78,18.29 37.24,17.83 37.76,17.83 38.46,17.14 40.76,17.14 40.92,17.3 44.48,17.3 44.58,17.4 46.86,17.4 47.26,17 48.05,17 48.36,16.69 49.61,16.69 50.8,17.88 50.8,18.92 51.56,19.68 52.29,19.68 52.75,20.14 52.95,20.14 53.64,20.83 57,20.83 v1(57.71,21.54)
  BOTTOM w0.127: R147.1 60.68,21.69 57.86,21.69 v1(57.71,21.54) ; v1(7.29,35.28) 7.8,35.28 11.24,31.84 11.24,29.97 11.07,29.81 11.07,28.88 11.81,28.14 11.81,25.4 12.67,24.54 v1(12.67,22.25)
SAI2_RXD: length 81.9
  TOP w0.127: v1(65.41,17.98) 65.23,18.16 65.23,18.39 64.8,18.82 U2.35 ; J1312.20 v1(6.22,34.09)
  L06_SIG2 w0.102: v1(10.16,23.62) 10.67,24.13 13.06,24.13 14.59,22.59 17.11,22.59 18.59,21.11 19.81,21.11 20.5,20.42 25.76,20.42 26.16,20.83 29.08,20.83 29.46,20.45 34.11,20.45 34.92,19.63 36.52,19.63 37.08,19.07 37.08,18.41 37.36,18.14 37.97,18.14 38.63,17.48 40.67,17.48 40.79,17.6 44.27,17.6 44.45,17.78 46.99,17.78 47.45,17.32 47.93,17.32 48.21,17.6 49.99,17.6 50.42,18.03 50.42,19.3 51.18,20.07 52.24,20.07 52.62,20.45 52.83,20.45 53.51,21.13 56.76,21.13 57.55,21.92 58.6,21.92 59,21.51 59,20.62 60.02,19.61 63.78,19.61 v1(65.41,17.98)
  BOTTOM w0.127: v1(6.22,34.09) 6.22,34.04 6.95,33.31 7.3,33.31 7.99,32.62 8.21,32.62 9.72,31.12 9.72,30.62 9.13,30.04 9.13,28.71 9.21,28.64 9.21,24.7 10.16,23.75 v1(10.16,23.62) ; v1(65.41,17.98) 65.41,18.11 64.8,18.72 64.49,18.72 64.14,18.36 C3.1
SAI2_TXC: length 85
  TOP w0.127: U2.37 63.16,20.06 63.45,20.35 63.73,20.35 63.91,20.17 64.62,20.17 v1(64.67,20.22) ; J1312.18 6.41,34.49 6.76,34.14 v1(6.76,34.09)
  L06_SIG2 w0.102: v1(10.8,23.62) 11.81,22.61 11.81,20.24 12.31,19.74 18.82,19.74 19.09,19.47 26.71,19.47 26.92,19.68 27.69,19.68 28.19,19.18 29.12,19.18 29.34,19.4 33.67,19.4 35.31,17.76 35.31,17.35 35.84,16.81 37.49,16.81 38.96,15.34 44.22,15.34 45.21,16.33 45.87,16.33 46.33,15.87 46.33,15.83 46.81,15.34 49.13,15.34 51.47,17.68 51.56,17.68 52.55,18.67 53.06,18.67 53.59,19.2 53.59,19.92 53.89,20.22 57.51,20.22 57.91,19.81 57.91,19.48 58.6,18.8 59.56,18.8 59.84,18.52 63.22,18.52 64.14,17.6 65.61,17.6 65.91,17.91 65.91,18.97 v1(64.67,20.22)
  BOTTOM w0.127: C2.2 64.41,20.22 v1(64.67,20.22) ; v1(6.76,34.09) 6.76,34.06 7.13,33.69 7.68,33.69 10.1,31.27 10.1,30.47 9.51,29.88 9.51,28.87 9.68,28.71 9.68,27.02 10.1,26.61 10.1,25.46 10.29,25.27 10.29,24.51 10.8,24 v1(10.8,23.62)